# KiCad board Latest-Full-Backplane.kicad_pcb (continued)
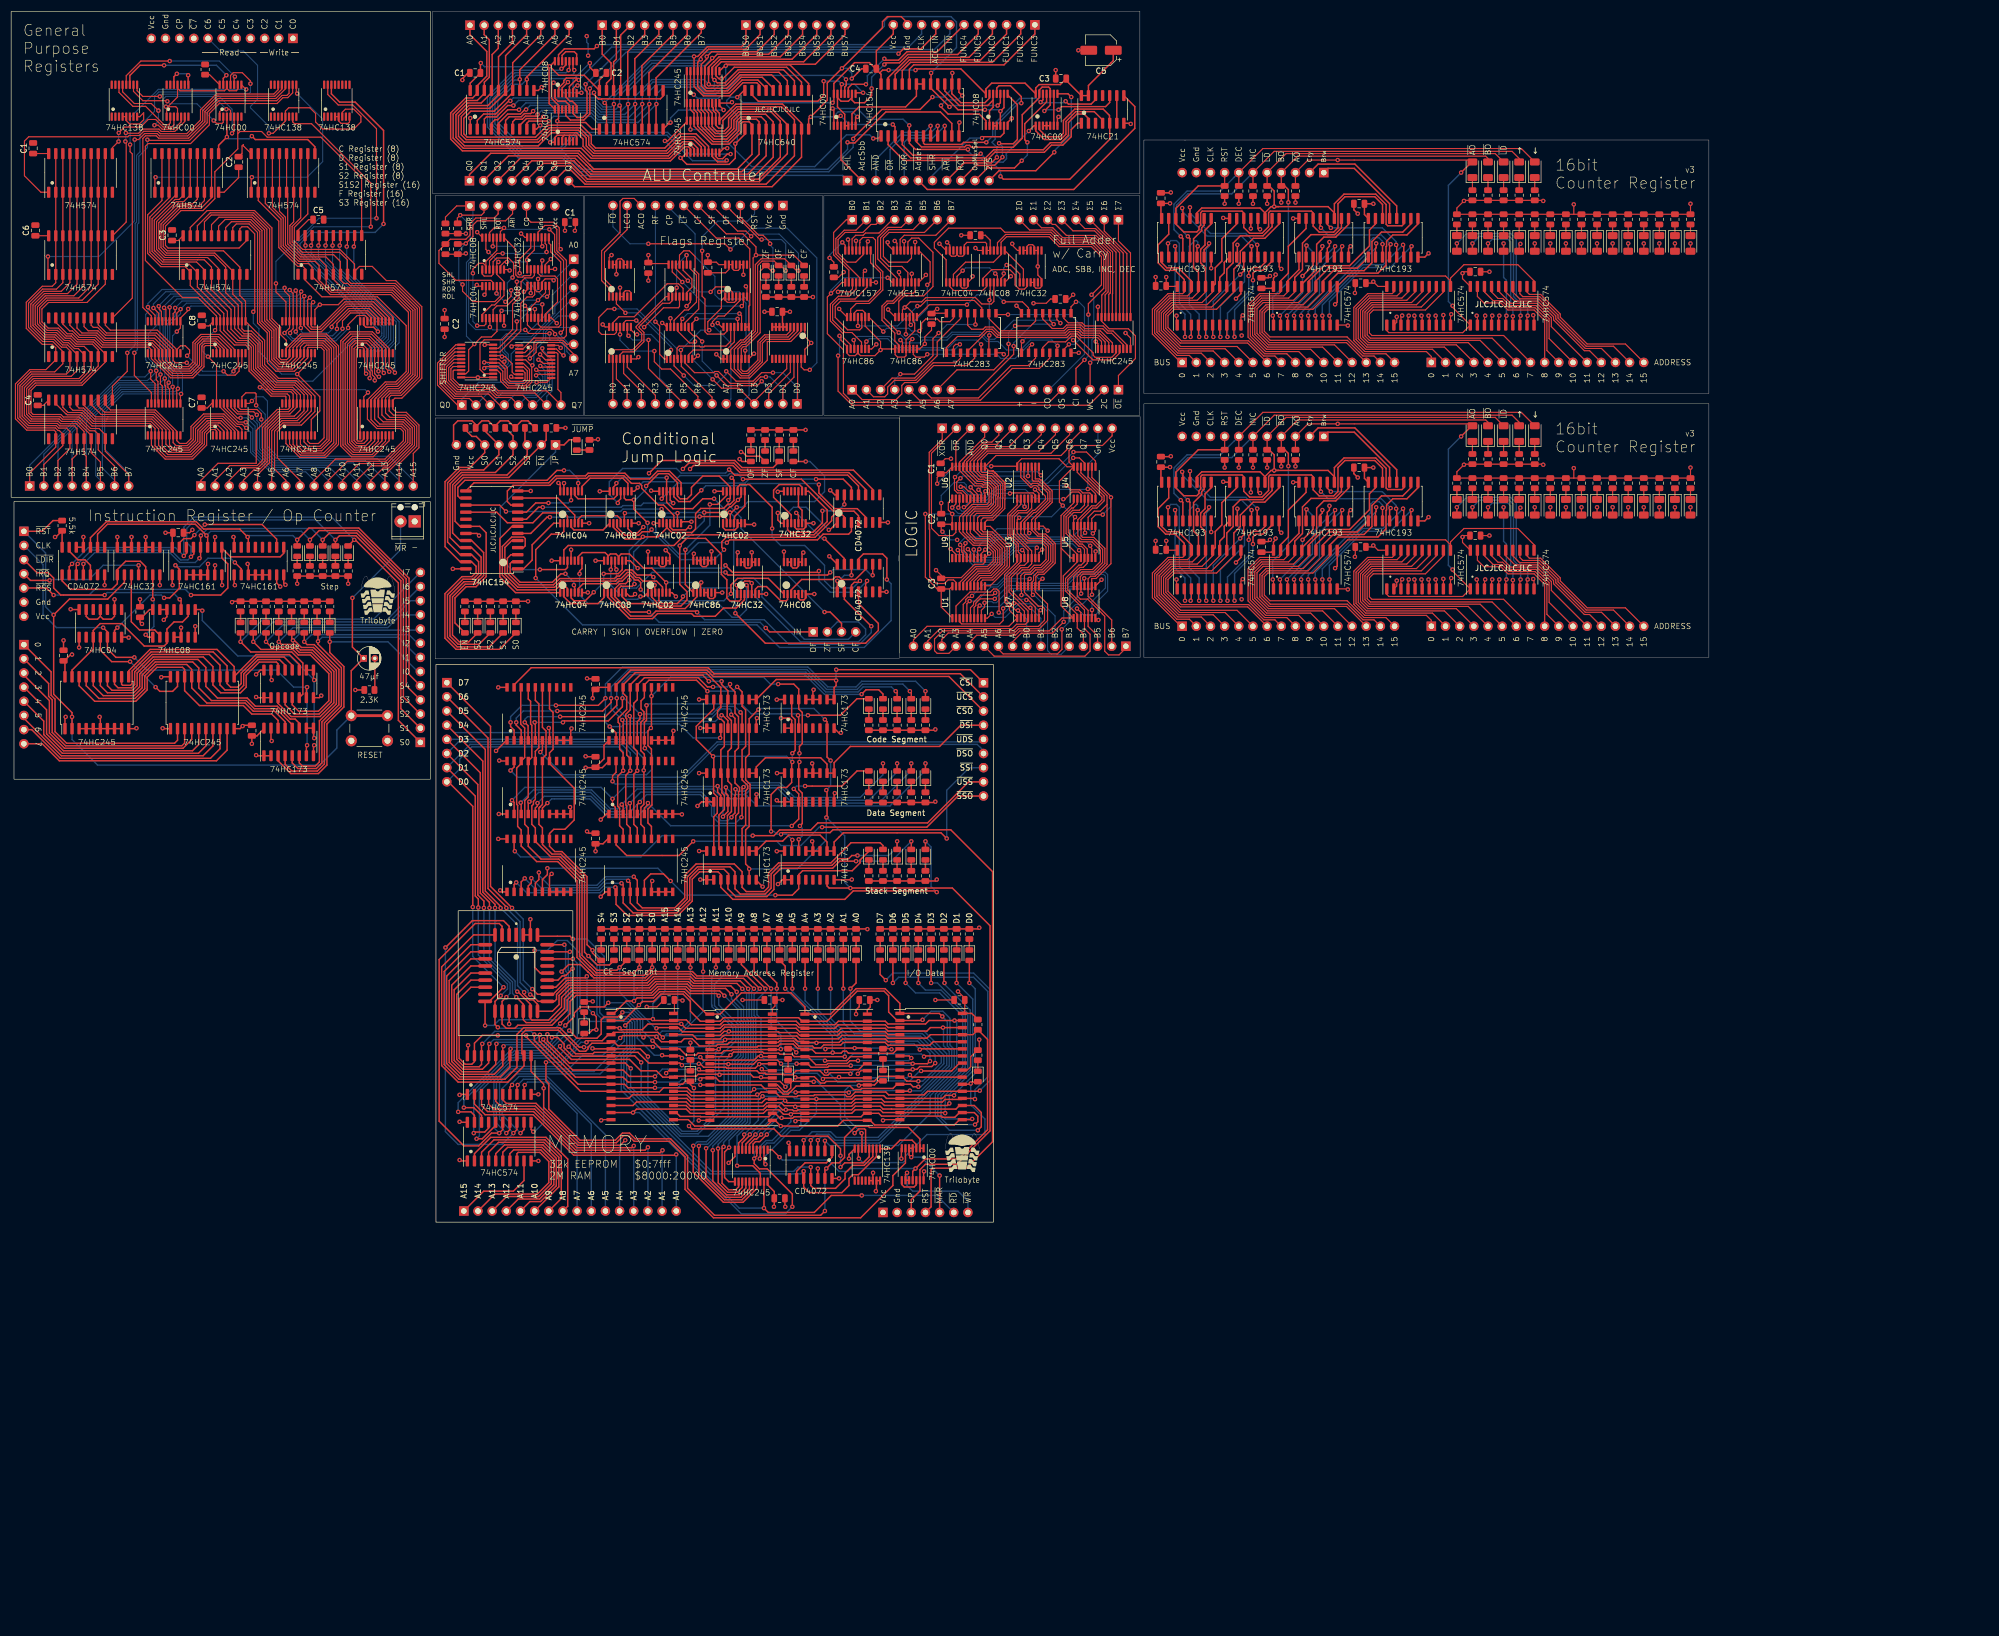
[diagram p0: board, top side]
## Routing (per net, layer and track width the routed paths; a pad name or vN(x,y) marks a point on that pad's centre or on a via; arc(x,y) is an arc through that point) (continued)
OP3: length 27.2
  Top w0.2: v1(162.56,164.26) 163.13,164.26 164.14,165.28 172.77,165.28 174.12,163.94 U5#6.11 ; v1(151.89,160.71) U3#7.11
  Bottom w0.2: v1(162.56,164.26) 159,160.71 v1(151.89,160.71)
OP4: length 34.4
  Top w0.2: U6#7.6 187.58,157.02 v1(187.71,157.15) ; v1(159.51,158.17) 159.88,157.8 U4#10.3
  Bottom w0.2: v1(159.51,158.17) 160.02,157.66 163.03,157.66 163.56,158.19 164.23,158.19 164.25,158.17 167.89,158.17 168.91,159.18 173.74,159.18 175.01,157.91 177.04,157.91 178.56,156.39 181.04,156.39 182.82,158.17 186.69,158.17 v1(187.71,157.15)
OP5: length 25.8
  Top w0.2: U4#10.6 161.83,155.6 162.31,155.12 163.83,155.12 v1(164.34,155.63) ; U6#7.2 182.63,156.01 182.63,156.9 v1(183.13,157.4)
  Bottom w0.2: v1(164.34,155.63) 176.78,155.63 177.55,154.86 180.09,154.86 182.63,157.4 v1(183.13,157.4)
OP6: length 23.6
  Top w0.2: v1(178.05,165.02) 181.41,165.02 182.5,163.94 U6#7.15 ; v1(171.45,164.52) 164.7,164.52 U4#10.8
  Bottom w0.2: v1(171.45,164.52) 173.23,166.29 176.78,166.29 v1(178.05,165.02)
OP7: length 35.6
  Top w0.2: U4#10.11 160.53,159.24 v1(160.5,159.21) ; U6#7.11 187.58,161.85 v1(188.21,161.21)
  Bottom w0.2: v1(188.21,161.21) 187.71,161.72 179.83,161.72 176.42,158.31 175.17,158.31 173.9,159.58 168.74,159.58 167.84,158.67 163.07,158.67 162.53,159.21 v1(160.5,159.21)
OP_MUX_SEL: length 76.6
  Top w0.2: v1(157.23,169.34) 158.06,168.51 U2#4.1 ; J4#4.5 186.18,146.99 150.92,146.99 149.29,148.62 149.29,156.43 146.41,159.31 146.41,165.89 v1(147.07,166.55) 149.03,168.51 U1.1
  Bottom w0.2: v1(157.23,169.34) 149.29,169.34 147.07,167.11 v1(147.07,166.55)
OP_MUX_SELECT: length 24.1
  Top w0.25: v1(182.29,193.63) 181.82,194.1 181.82,196.97 185.74,200.88 U7#2.11 ; v1(181.28,190.32) 179.99,189.03 175.15,189.03 J3.10
  Bottom w0.25: v1(182.29,193.63) 182.29,191.34 v1(181.28,190.32)
OR_JA_JNBE: length 38.9
  Top w0.25: U11#2.3 150.73,114.22 151.24,114.73 152,114.73 v1(152.26,114.99) ; v1(136.51,124.38) 136.51,128.19 132.45,132.26 130.77,132.26 130.3,131.79 U5#4.10
  Bottom w0.25: v1(136.51,124.38) 136.51,122.86 138.03,121.34 142.35,121.34 145.91,117.78 145.91,114.99 147.18,113.72 150.99,113.72 v1(152.26,114.99)
OR_JB_JNAE_JC: length 55.8
  Top w0.25: v1(108.82,128.96) 108.82,129.21 109.33,129.72 U3#10.11 ; 152,130.42 152,132 150.05,133.96 129.78,133.96 v1(128.79,134.95)
  Bottom w0.25: v1(128.79,134.95) 128.17,134.33 120.16,134.33 119.35,135.14 109.68,135.14 107.3,132.77 107.3,130.48 v1(108.82,128.96)
OR_JBE_JNA: length 61.8
  Top w0.25: v1(123.05,109.36) 122.84,109.57 115.66,109.57 114.76,108.67 111.14,108.67 107.67,112.15 U6#3.3 ; v1(154.29,106.86) 149.46,111.68 U11#2.2
  Bottom w0.25: v1(123.05,109.36) 124.4,108.01 135.1,108.01 139.5,103.61 152.19,103.61 154.29,105.71 v1(154.29,106.86)
OR_JE_JZ: length 55.2
  Top w0.25: U3#10.6 110.63,124.35 111.36,123.62 112.38,123.62 v1(113.4,124.64) ; v1(120.5,135.06) 121.57,136.13 129.64,136.13 130.91,134.86 151.08,134.86 154.54,131.39 154.54,130.42
  In1.Cu w0.25: 58.42,-61.79 51.31,-68.9 51.31,-72.21
OR_JG_JNLE: length 54.4
  Top w0.25: v1(146.92,116.51) 146.45,116.04 128.6,116.04 v1(128.13,116.51) ; v1(108.57,117.02) 108.57,117.27 108.32,117.53 U6#3.11 ; v1(154.54,116) U11#2.9
  Bottom w0.25: v1(146.92,116.51) 147.43,117.02 153.27,117.02 154.29,116 v1(154.54,116) ; v1(128.13,116.51) 114.97,116.51 112.16,113.7 109.86,113.7 108.57,114.99 v1(108.57,117.02)
OR_JGE_JNL: length 50.3
  Top w0.25: v1(128.13,117.78) 129.4,116.51 144.64,116.51 v1(144.89,116.76) ; v1(153.53,114.99) 153.53,114.73 153.27,114.48 U11#2.5 ; U6#3.8 111.04,118.61 v1(112.38,117.27)
  Bottom w0.25: v1(153.53,114.99) 151.5,112.95 146.92,112.95 144.89,114.99 v1(144.89,116.76) ; v1(112.38,117.27) 127.87,117.27 128.13,117.53 v1(128.13,117.78)
OR_JL_JNGE: length 67.4
  Top w0.25: v1(129.91,109.19) 135.28,103.81 153.27,103.81 155.56,106.1 155.56,107.37 152,110.92 U11#2.4 ; U9.4 116.19,111.43 116.7,110.92 119.49,110.92 120.51,111.94 v1(120.51,112.19)
  In1.Cu w0.25: 68.83,-58.75 69.34,-59.26 69.34,-62.25 68.29,-63.3 68.29,-67.35
  Bottom w0.25: v1(129.91,109.19) 129.91,113.21 129.4,113.72 122.03,113.72 v1(120.51,112.19)
OR_JLE_JNG: length 16.9
  Top w0.25: U14.3 139.92,113.37 141.8,115.24 147.38,115.24 147.85,115.71 148.54,115.71 149.01,115.24 151.44,115.24 153.27,117.08 U11#2.10
OR_JNB_JAE_JNC: length 38.9
  Top w0.25: v1(144.38,133.23) 149.25,133.23 150.73,131.75 150.73,130.42 ; v1(116.7,129.72) 116.92,129.94 U2#8.13
  Bottom w0.25: v1(116.7,129.72) 119.49,132.51 131.62,132.51 132.34,133.23 v1(144.38,133.23)
OR_JNE_JNZ: length 39.2
  Top w0.25: v1(121.78,135.05) 122.4,135.68 129.46,135.68 130.73,134.41 150.26,134.41 153.27,131.39 153.27,130.42 ; v1(121.78,124.64) 121.52,124.64 121.02,124.13 118.69,124.13 118.22,124.59 U2#8.4
OR_JNO: length 42.7
  Top w0.25: U2#8.1 v1(115.24,125.33) ; U10#2.3 150.73,123.88 150.23,123.37 145.65,123.37 144.64,122.35 128.89,122.35 v1(128.38,121.84)
  Bottom w0.25: v1(115.24,125.33) 115.64,124.93 115.64,123.92 119.72,119.84 121.28,119.84 123.29,121.84 v1(128.38,121.84)
OR_JNS: length 41.4
  Top w0.25: U10#2.5 153.27,126.44 151.77,127.94 147.69,127.94 144.89,130.73 v1(144.89,132.26) ; U2#8.10 118.87,130.08 119.75,129.21 121.78,129.21 v1(123.81,131.24)
  Bottom w0.25: v1(123.81,131.24) 124.62,132.06 131.81,132.06 132.2,132.45 144.7,132.45 v1(144.89,132.26)
OR_JO: length 51.2
  Top w0.25: v1(127.87,120.57) 127.47,120.97 127.47,122.01 128.27,122.8 144.2,122.8 147.18,125.78 147.18,126.42 147.69,126.92 148.98,126.92 149.46,126.44 U10#2.2 ; U3#10.3 108.68,124.59 110.1,123.17 112.57,123.17 113.2,123.8 114.48,123.8 v1(114.88,124.2)
  Bottom w0.25: v1(127.87,120.57) 126.1,118.8 120.13,118.8 114.88,124.04 v1(114.88,124.2)
OR_JS: length 46.4
  Top w0.25: v1(131.28,133.23) 141.76,133.23 147.5,127.49 151.18,127.49 152,126.67 U10#2.4 ; v1(112.38,131.75) 112.38,131.63 111.8,131.06 U3#10.8
  Bottom w0.25: v1(131.28,133.23) 130.28,134.23 128.88,134.23 128.53,133.88 119.97,133.88 118.86,132.77 113.4,132.77 v1(112.38,131.75)
OR_JUMP: length 102.1
  Top w0.25: U1#8.2 99.14,123.85 98.66,123.37 96.89,123.37 94.09,120.57 v1(94.09,115.49) ; U11#2.11 152,118.94 152.87,119.81 156.32,119.81 157.08,119.05 v1(157.08,115.24)
  Bottom w0.25: v1(157.08,115.24) 157.85,114.48 157.85,107.87 153.02,103.05 137.84,103.05 133.77,107.11 102.47,107.11 v1(94.09,115.49)
OVERFLOW: length 19.2
  Top w0.2: U38.11 120.86,161.26 123.34,163.73 123.34,170.02 122.68,170.67 122.68,173.15 121.67,174.17 120.65,174.17 119.89,173.41 U37.11
OVERFLOW_FLAG: length 88.1
  Top w0.25: v1(130.66,136.83) 131.09,136.4 D5.2 ; v1(135.37,106.54) 136.07,105.84 J4#5.1 ; v1(129.24,133.47) 129.65,133.06 U5#4.11 129.65,129.41 128.98,128.74 128.55,128.74 127.79,127.98 123.7,127.98 122.77,127.05 122.77,124.3 122.13,123.66 118.51,123.66 117.57,124.59 U2#8.3 117.57,124.44 116.02,122.89 v1(113.31,122.89) 112.91,122.49 110.14,122.49 108.03,124.59 U3#10.2 ; v1(110.88,115.15) 110.22,114.49 109.22,114.49 108.32,113.59 U6#3.4 108.32,112.15 111.07,109.4 v1(114.41,109.4)
  Bottom w0.25: v1(135.37,106.54) 134.35,107.56 116.25,107.56 v1(114.41,109.4) ; v1(110.88,115.15) 110.88,120.46 v1(113.31,122.89)
Q0: length 158.8
  Top w0.2: U5#9.11 79.77,157.33 76.48,154.04 76.48,150.09 80.05,146.52 J2#9.1 ; JC.4 174.63,140.79 170.11,136.27 U6#6.18 170.11,134.79 172.88,132.02 173.98,132.02 174.21,131.8 175.06,131.8 175.48,131.38 175.48,130.83 175.41,130.77 175.41,129.1 175.01,128.69 172.38,128.69 170.11,126.43 U9#5.18 ; U6#9.11 96.09,150.6 v1(94.26,150.6) ; 170.1,114.12 170.1,114.66 172.98,117.54 175.11,117.54 176.16,118.59 176.16,120.16 174.95,121.37 172.57,121.37 170.1,123.84 170.1,124.77
  Top w0.25: 102.25,191.12 103.84,189.53 103.84,189.52 104.54,188.82 130.25,188.82 132.89,191.47 U6.2 132.89,196.8 132.37,197.32 131.27,197.32 130.99,197.04 130.99,195.54 128.76,193.3 125.72,193.3 122.5,196.52 U11#4.18 122.5,198.86 121.85,199.51 U5#10.2 ; 102.24,191.12 101.71,191.66 86.02,191.66 82.22,187.85 J6.1
  Bottom w0.2: J2#9.1 80.84,147.57 83.86,150.6 v1(94.26,150.6)
Q1: length 159.5
  Top w0.2: 80.73,156.68 79.69,156.68 76.88,153.88 76.88,150.25 79.44,147.69 82.21,147.69 J2#9.2 ; JC.5 177.17,141.13 175.91,139.87 174.41,139.87 171.01,136.47 171.01,136.36 170.91,136.26 170.91,135.45 U6#6.17 170.76,134.8 173.14,132.42 174.15,132.42 174.37,132.2 175.23,132.2 175.88,131.54 175.88,130.67 175.81,130.6 175.81,128.93 175.17,128.29 172.54,128.29 170.76,126.51 U9#5.17 ; U6#9.12 94.34,152.03 v1(94.16,151.84) ; 170.75,124.77 170.75,123.76 172.74,121.77 175.11,121.77 176.56,120.32 176.56,118.43 175.28,117.14 173.16,117.14 170.75,114.73 170.75,114.12
  Top w0.25: J6.2 89.21,191.21 101.52,191.21 103.1,189.62 103.11,189.62 104.36,188.37 131.07,188.37 134.16,191.47 U6.3 134.16,197.31 133.7,197.77 131.09,197.77 130.54,197.23 130.54,195.72 128.57,193.75 125.91,193.75 123.15,196.51 U11#4.17 123.1,197.55 123.1,198.9 122.5,199.5 U5#10.3
  Bottom w0.2: J2#9.2 85.93,149.07 93.73,149.07 94.96,150.31 94.96,151.04 v1(94.16,151.84)
Q2: length 160
  Top w0.2: v1(94.19,152.84) 94.35,152.68 U6#9.13 ; 171.4,124.77 171.4,123.67 172.9,122.17 175.28,122.17 176.96,120.49 176.96,118.26 175.44,116.74 173.41,116.74 171.4,114.73 171.4,114.12 ; JC.6 176.84,139.47 174.58,139.47 171.41,136.3 U6#6.16 171.41,134.79 173.38,132.82 174.32,132.82 174.54,132.6 175.39,132.6 176.28,131.71 176.28,130.5 176.21,130.44 176.21,128.77 175.34,127.89 172.71,127.89 171.41,126.6 U9#5.16 ; J2#9.3 84.35,148.09 79.61,148.09 77.28,150.42 77.28,153.71 79.6,156.03 U5#9.13
  Top w0.25: J6.3 91.3,190.76 101.17,190.76 104,187.92 104.17,187.92 132.14,187.92 135.43,191.21 U6.4 135.43,197.31 134.52,198.22 130.9,198.22 130.1,197.41 130.1,195.91 128.38,194.2 126.1,194.2 123.8,196.49 U11#4.16 123.8,198.83 123.15,199.48 U5#10.4
  Bottom w0.2: J2#9.3 88.07,148.67 93.89,148.67 95.36,150.14 95.36,151.67 v1(94.19,152.84)
Q3: length 160
  Top w0.2: U6#9.14 95.11,153.33 v1(94.92,153.52) ; JC.7 178.98,139.07 174.74,139.07 172.06,136.39 U6#6.15 172.06,134.71 173.55,133.22 174.48,133.22 174.69,133.01 175.54,133.01 176.68,131.87 176.68,130.34 176.61,130.27 176.61,128.6 175.5,127.49 172.87,127.49 172.06,126.68 U9#5.15 ; U5#9.14 79.52,155.38 77.68,153.55 77.68,150.58 79.78,148.49 85.65,148.49 87.62,146.52 J2#9.4 ; 172.05,114.12 172.05,114.81 173.58,116.34 175.61,116.34 177.36,118.1 177.36,120.65 175.44,122.57 173.07,122.57 172.05,123.59 172.05,124.77
  Top w0.25: U5#10.5 123.8,199.47 124.45,198.82 U11#4.15 124.45,196.48 126.23,194.7 128.25,194.7 129.65,196.1 129.65,197.6 130.71,198.67 135.34,198.67 136.7,197.31 136.7,190.96 133.22,187.48 103.8,187.48 101.9,189.38 101.84,189.38 101.05,190.17 101.05,190.22 100.97,190.31 93.39,190.31 J6.4
  Bottom w0.2: v1(94.92,153.52) 95.76,152.68 95.76,149.98 94.06,148.27 90.21,148.27 J2#9.4
Q4: length 162.3
  Top w0.2: U5#9.15 79.43,154.73 78.08,153.38 78.08,150.75 79.94,148.89 85.89,148.89 86.91,147.87 89.65,147.87 J2#9.5 ; v1(94.59,154.63) 94.68,154.63 95.09,154.22 95.21,154.22 95.45,153.98 U6#9.15 ; 172.7,124.77 172.7,124.1 173.83,122.97 175.61,122.97 177.76,120.82 177.76,117.93 175.77,115.94 173.74,115.94 172.7,114.9 172.7,114.12 ; JC.8 184.79,141.22 182.24,138.67 174.91,138.67 172.71,136.47 U6#6.14 172.71,134.77 173.86,133.62 174.65,133.62 174.84,133.43 175.69,133.43 177.08,132.04 177.08,130.17 177.01,130.11 177.01,128.44 175.67,127.09 173.16,127.09 172.71,126.64 U9#5.14
  Top w0.25: U5#10.6 124.45,199.52 125.1,198.87 U11#4.14 125.1,196.46 126.36,195.21 128.12,195.21 129.2,196.28 129.2,197.79 130.52,199.12 136.29,199.12 137.97,197.44 U6.6 137.97,190.96 134.04,187.03 103.36,187.03 100.53,189.86 95.48,189.86 J6.5
  Bottom w0.2: J2#9.5 92.35,147.87 94.22,147.87 96.16,149.81 96.16,153.27 94.8,154.63 v1(94.59,154.63)
Q5: length 162.4
  Top w0.2: 173.35,114.12 173.35,114.95 173.94,115.54 175.94,115.54 178.22,117.83 178.22,120.92 175.78,123.37 174.1,123.37 173.35,124.12 173.35,124.77 ; JC.9 187.33,141.22 184.38,138.27 175.07,138.27 173.36,136.56 U6#6.13 173.36,134.68 174.03,134.02 174.97,134.02 175.12,133.86 175.85,133.86 177.48,132.24 177.48,130.01 177.41,129.94 177.41,128.27 175.83,126.69 173.76,126.69 173.36,126.29 U9#5.13 ; v1(94.88,155.59) 95.85,154.63 U6#9.16 ; U5#9.16 79.35,154.08 78.48,153.22 78.48,150.92 80.11,149.29 86.06,149.29 87.07,148.27 91.79,148.27 J2#9.6
  Top w0.25: J6.6 97.58,189.41 100.34,189.41 103.18,186.58 134.22,186.58 139.24,191.59 U6.7 139.24,196.8 136.47,199.57 130.34,199.57 128.7,197.93 128.7,196.42 127.94,195.66 126.54,195.66 125.75,196.45 U11#4.13 125.75,198.85 125.1,199.5 U5#10.7
  Bottom w0.2: v1(94.88,155.59) 96.56,153.91 96.56,149.34 93.75,146.52 J2#9.6
Q6: length 164.6
  Top w0.2: 174,124.77 174,124.16 174.26,123.9 174.26,123.87 174.36,123.77 176.01,123.77 178.65,121.12 178.65,117.69 176.1,115.14 174.28,115.14 174,114.86 174,114.12 ; U9#5.12 174.01,125.94 174.36,126.29 176,126.29 177.84,128.13 177.84,129.8 177.88,129.84 177.88,132.41 176.02,134.26 175.29,134.26 175.13,134.42 174.21,134.42 174.01,134.61 U6#6.12 174.01,136.64 175.24,137.87 186.52,137.87 189.87,141.22 JC.10 ; U6#9.17 96.19,155.28 95.28,156.18 v1(95.28,156.69) ; U5#9.17 79.29,153.43 78.88,153.02 78.88,151.08 80.27,149.69 86.22,149.69 87.24,148.67 93.93,148.67 J2#9.7
  Top w0.25: U5#10.8 125.75,199.98 125.95,199.78 125.95,199.29 126.4,198.84 U11#4.12 126.4,196.69 126.92,196.17 127.68,196.17 127.68,197.55 130.15,200.01 138.18,200.01 140.51,197.69 U6.8 140.51,191.21 135.42,186.13 102.95,186.13 100.5,188.57 99.28,188.57 J6.7
  Bottom w0.2: J2#9.7 96.08,148.09 97.06,149.07 97.06,154.66 95.28,156.44 v1(95.28,156.69)
Q7: length 158
  Top w0.2: 177.13,133.71 177.13,133.73 177.02,133.83 ; 176.78,134.12 176.78,134.13 176.65,134.22 ; 178.28,131.77 178.29,131.62 178.28,131.6 ; 174.65,124.77 175.63,124.77 179.09,121.31 179.09,117.56 175.64,114.12 174.65,114.12 ; JC.11 189.39,139.32 189.39,138.53 188.32,137.47 176.68,137.47 U6#6.11 175.43,134.69 175.77,134.69 175.98,134.72 176.03,134.69 176.11,134.69 176.13,134.66 176.18,134.66 176.3,134.55 176.4,134.48 176.41,134.46 176.42,134.45 176.42,134.43 176.43,134.43 176.43,134.41 176.53,134.32 176.53,134.32 176.79,134.11 176.79,134.05 176.89,133.97 176.9,133.95 177.15,133.7 177.85,132.99 177.92,132.98 178.08,132.77 178.14,132.71 178.25,132.63 178.25,132.62 178.25,132.62 178.26,132.59 178.28,132.57 178.28,132.51 178.31,132.45 178.29,132.31 178.29,132.3 178.29,132.29 178.29,132.29 178.29,132.29 178.28,132.18 178.28,130.34 178.28,129.67 178.24,129.64 178.24,127.97 176.16,125.89 175.06,125.89 174.66,125.49 U9#5.11 ; U6#9.18 97.82,155.93 98.07,155.68 98.07,149.33 98.62,148.78 J2#9.8 96.07,149.07 87.4,149.07 86.39,150.09 80.44,150.09 79.28,151.25 79.28,152.63 79.43,152.78 U5#9.18
  Top w0.25: U5#10.9 126.4,199.48 127.05,198.83 U11#4.11 ; J6.8 101.07,185.68 136.5,185.68 141.78,190.96 U6.9 141.78,197.06 138.35,200.48 129.98,200.48 127.07,197.57 127.05,197.57
REG0: length 274.3
  Top w0.2: 248.03,160.86 248.55,161.38 v1(248.55,162.34) ; v1(210.57,111.43) 210.57,113.43 U1#4.2 ; 248.03,113.56 248.55,114.07 v1(248.55,115.04) ; v1(210.57,158.73) 210.57,160.73 U1#11.2 ; D16#2.2 v1(301.24,175.5) ; D16.2 v1(301.24,128.19)
  Top w0.25: v1(208.79,127.69) 208.91,127.56 U2#6.3 ; v1(208.79,174.99) 208.91,174.86 U2#5.3
  In1.Cu w0.2: 354.58,71.55 350.01,66.98 332.23,66.98 331.47,66.22 331.47,56.57 328.17,53.26 307.02,53.26 301.89,58.39 301.89,54.05 299.21,51.37 267.32,51.37 263.91,54.79 ; 354.58,24.25 350.01,19.68 332.23,19.68 331.47,18.91 331.47,9.26 328.17,5.96 307.02,5.96 301.89,11.09 301.89,6.75 299.21,4.07 267.32,4.07 263.91,7.48
  Bottom w0.25: v1(210.57,158.73) 210.57,162.8 208.79,164.58 v1(208.79,174.99) ; v1(210.57,111.43) 210.57,115.49 208.79,117.27 v1(208.79,127.69)
REG1: length 274.5
  Top w0.2: U6#4.3 249.3,115.04 v1(249.52,115.26) ; D15#2.2 v1(298.45,175.5) ; D15.2 v1(298.45,128.19) ; 211.71,113.56 211.71,111.81 211.58,111.68 v1(211.58,111.43) ; 211.71,160.86 211.71,159.12 211.58,158.99 v1(211.58,158.73) ; v1(249.52,162.56) 249.3,162.34 U6#5.3
  Top w0.25: v1(207.52,128.19) 207.52,125.87 U2#6.2 ; U2#5.2 207.52,173.18 v1(207.52,175.5)
  In1.Cu w0.2: 264.92,54.79 267.94,51.77 299.04,51.77 301.19,53.92 301.19,58.92 301.36,59.09 302.39,59.09 307.71,53.77 328.11,53.77 331.07,56.73 331.07,66.38 332.07,67.38 347.62,67.38 351.79,71.55 ; 264.92,7.48 267.94,4.47 299.04,4.47 301.19,6.61 301.19,11.62 301.36,11.79 302.39,11.79 307.71,6.47 328.11,6.47 331.07,9.43 331.07,19.08 332.07,20.08 347.62,20.08 351.79,24.25
  Bottom w0.25: v1(207.52,175.5) 208.03,176.01 209.04,176.01 209.55,175.5 209.55,164.83 211.58,162.8 v1(211.58,158.73) ; v1(207.52,128.19) 208.03,128.7 209.04,128.7 209.55,128.19 209.55,117.53 211.58,115.49 v1(211.58,111.43)
REG2: length 263.5
  Top w0.2: v1(213.11,111.43) 212.98,111.56 U1#4.4 ; U6#5.4 250.57,162.42 v1(250.7,162.54) ; U1#11.4 212.98,158.86 v1(213.11,158.73) ; D14.2 v1(295.66,175.5) ; U6#4.4 250.57,115.11 v1(250.7,115.24) ; D14#2.2 v1(295.66,128.19)
  Top w0.25: U2#6.6 212.72,127.56 v1(212.85,127.69) ; U2#5.6 212.72,174.86 v1(212.85,174.99)
  In1.Cu w0.2: 266.45,54.79 269.06,52.17 298.88,52.17 300.79,54.08 300.79,59.09 301.19,59.49 303.14,59.49 308.46,54.17 327.94,54.17 330.67,56.9 330.67,66.55 331.9,67.78 345.22,67.78 349,71.55 ; 349,24.25 345.22,20.48 331.9,20.48 330.67,19.24 330.67,9.59 327.94,6.87 308.46,6.87 303.14,12.19 301.19,12.19 300.79,11.78 300.79,6.78 298.88,4.87 269.06,4.87 266.45,7.48
  Bottom w0.25: v1(213.11,158.73) 213.11,162.8 211.33,164.58 211.33,174.99 212.34,176.01 212.6,176.01 212.85,175.75 v1(212.85,174.99) ; v1(213.11,111.43) 213.11,115.49 211.33,117.27 211.33,127.69 212.34,128.7 212.6,128.7 212.85,128.45 v1(212.85,127.69)
REG3: length 250.7
  Top w0.2: v1(251.71,162.54) 251.84,162.42 U6#5.5 ; v1(251.71,115.24) 251.84,115.11 U6#4.5 ; v1(214.38,158.73) 214.38,158.99 214.25,159.12 U1#11.5 ; U1#4.5 214.25,111.81 214.38,111.68 v1(214.38,111.43) ; D13#4.2 v1(292.86,175.5) ; D13#3.2 v1(292.86,128.19)
  Top w0.25: 213.99,173.05 213.99,174.36 214.88,175.24 v1(214.88,175.5) ; v1(214.88,128.19) 214.88,127.94 213.99,127.05 213.99,125.75
  In1.Cu w0.2: 346.2,71.55 342.83,68.18 331.73,68.18 330.27,66.72 330.27,57.06 327.78,54.57 309.08,54.57 303.76,59.89 301.03,59.89 300.39,59.25 300.39,54.25 298.71,52.57 269.93,52.57 267.72,54.79 ; 267.72,7.48 269.93,5.27 298.71,5.27 300.39,6.94 300.39,11.95 301.03,12.59 303.76,12.59 309.08,7.27 327.78,7.27 330.27,9.76 330.27,19.41 331.73,20.88 342.83,20.88 346.2,24.25
  Bottom w0.25: v1(214.88,175.5) 214.88,174.99 214.38,174.48 v1(214.38,158.73) ; v1(214.38,111.43) 214.38,127.18 214.88,127.69 v1(214.88,128.19)
REG4: length 237.1
  Top w0.2: D12#3.2 v1(290.07,175.5) ; v1(252.98,115.24) 253.11,115.11 U6#4.6 ; v1(215.65,111.43) 215.52,111.56 U1#4.6 215.52,114.35 ; U6#5.6 253.11,162.42 v1(252.98,162.54) ; 215.52,161.66 U1#11.6 215.52,158.86 v1(215.65,158.73) ; D12.2 v1(290.07,128.19)
  Top w0.25: v1(220.47,169.91) 221.11,170.55 U3#8.3 ; v1(220.47,122.61) 221.11,123.24 U3#4.3
  In1.Cu w0.2: 343.41,24.25 340.44,21.28 331.57,21.28 329.87,19.58 329.87,9.92 327.61,7.67 309.95,7.67 304.63,12.99 300.86,12.99 299.99,12.12 299.99,7.11 298.55,5.67 270.8,5.67 268.99,7.48 ; 343.41,71.55 340.44,68.58 331.57,68.58 329.87,66.88 329.87,57.23 327.61,54.97 309.95,54.97 304.63,60.29 300.86,60.29 299.99,59.42 299.99,54.41 298.55,52.97 270.8,52.97 268.99,54.79
  Bottom w0.25: v1(215.65,111.43) 215.65,117.78 v1(220.47,122.61) ; v1(215.65,158.73) 215.65,165.08 v1(220.47,169.91)
REG5: length 235.7
  Top w0.2: v1(254.25,115.24) 254.38,115.11 U6#4.7 ; U1#11.7 216.79,158.86 v1(216.92,158.73) ; D11#3.2 v1(287.27,128.19) ; D11.2 v1(287.27,175.5) ; v1(254.25,162.54) 254.38,162.42 U6#5.7 ; v1(216.92,111.43) 216.79,111.56 U1#4.7
  Top w0.25: v1(219.96,175.24) 219.96,173.18 U3#8.2 ; U3#4.2 219.96,125.87 v1(219.96,127.94)
  In1.Cu w0.2: 270.26,7.48 271.67,6.07 298.38,6.07 299.59,7.27 299.59,12.28 300.7,13.39 305.5,13.39 310.82,8.07 327.45,8.07 329.47,10.09 329.47,19.74 331.4,21.68 338.04,21.68 340.61,24.25 ; 270.26,54.79 271.67,53.37 298.38,53.37 299.59,54.58 299.59,59.59 300.7,60.69 305.5,60.69 310.82,55.37 327.45,55.37 329.47,57.39 329.47,67.05 331.4,68.98 338.04,68.98 340.61,71.55
  Bottom w0.25: v1(216.92,158.73) 216.92,164.32 221.23,168.64 221.23,170.93 219.96,172.2 v1(219.96,175.24) ; v1(219.96,127.94) 219.96,124.89 221.23,123.62 221.23,121.34 216.92,117.02 v1(216.92,111.43)
REG6: length 220.5
  Top w0.2: v1(255.52,115.24) 255.65,115.11 U6#4.8 ; D10#4.2 v1(284.48,128.19) ; U1#4.8 218.06,111.56 v1(218.19,111.43) ; U6#5.8 255.65,162.42 v1(255.52,162.54) ; v1(218.19,158.73) 218.06,158.86 U1#11.8 ; D10#5.2 v1(284.48,175.5)
  Top w0.25: U3#4.6 224.92,124.77 224.03,123.88 222.76,123.88 222,123.11 v1(222,122.35) ; U3#8.6 224.92,172.07 224.03,171.18 222.76,171.18 222,170.42 v1(222,169.66)
  In1.Cu w0.2: 271.53,7.48 272.54,6.47 298.22,6.47 299.19,7.44 299.19,12.45 300.53,13.79 306.37,13.79 311.69,8.47 327.28,8.47 329.07,10.26 329.07,19.91 331.24,22.08 335.65,22.08 337.82,24.25 ; 271.53,54.79 272.54,53.77 298.22,53.77 299.19,54.74 299.19,59.75 300.53,61.09 306.37,61.09 311.69,55.77 327.28,55.77 329.07,57.56 329.07,67.21 331.24,69.38 335.65,69.38 337.82,71.55
  Bottom w0.25: v1(222,122.35) 222,119.5 218.19,115.69 v1(218.19,111.43) ; v1(222,169.66) 222,166.81 218.19,163 v1(218.19,158.73)
REG7: length 211.7
  Top w0.2: v1(219.46,111.43) 219.33,111.56 U1#4.9 ; v1(219.46,158.73) 219.33,158.86 U1#11.9 ; v1(256.91,115.35) 256.92,115.34 256.92,113.56 ; D9#3.2 v1(281.69,175.5) ; v1(256.91,162.66) 256.92,162.65 256.92,160.86 ; D9#4.2 v1(281.69,128.19)
  Top w0.25: v1(222.76,121.59) 222.76,122.86 223.27,123.37 224.54,123.37 226.19,125.02 226.19,125.75 ; v1(222.76,168.89) 222.76,170.16 223.27,170.67 224.54,170.67 226.19,172.32 226.19,173.05
  In1.Cu w0.2: 335.03,24.25 333.25,22.48 331.07,22.48 328.67,20.07 328.67,10.42 327.12,8.87 312.79,8.87 307.47,14.19 300.36,14.19 298.79,12.61 298.79,7.61 298.12,6.94 273.34,6.94 272.8,7.48 ; 272.8,54.79 273.34,54.24 298.12,54.24 298.79,54.91 298.79,59.92 300.36,61.49 307.47,61.49 312.79,56.17 327.12,56.17 328.67,57.73 328.67,67.38 331.07,69.78 333.25,69.78 335.03,71.55
  Bottom w0.25: v1(219.46,111.43) 219.46,116.32 222.76,119.63 v1(222.76,121.59) ; v1(219.46,158.73) 219.46,163.63 222.76,166.93 v1(222.76,168.89)
REG8: length 182.2
  Top w0.2: v1(227.58,115.24) 227.71,115.11 U4#8.2 ; v1(262.89,162.54) 263.02,162.42 U8#8.2 ; v1(227.58,162.54) 227.71,162.42 U4#9.2 ; D8#3.2 v1(278.89,128.19) 278.89,128.45 ; 278.89,175.75 v1(278.89,175.5) D8#4.2 ; U8#5.2 263.02,115.11 v1(262.89,115.24)
  Top w0.25: v1(231.65,169.66) 233.55,171.56 U5#5.3 ; v1(231.65,122.35) 233.55,124.26 U5.3
  In1.Cu w0.2: 332.23,71.55 328.27,67.59 328.27,57.89 326.95,56.57 318.26,56.57 312.93,61.89 300.2,61.89 298.39,60.08 298.39,55.08 297.95,54.64 284.88,54.64 280.92,58.6 ; 332.23,24.25 328.27,20.29 328.27,10.59 326.95,9.27 318.26,9.27 312.93,14.59 300.2,14.59 298.39,12.78 298.39,7.77 297.95,7.34 284.88,7.34 280.92,11.29
  Bottom w0.25: v1(231.65,122.35) 231.65,119.3 v1(227.58,115.24) ; v1(231.65,169.66) 231.65,166.61 v1(227.58,162.54)
REG9: length 179.4
  Top w0.2: 228.98,113.56 228.98,115.11 v1(228.85,115.24) ; v1(228.85,162.54) 228.98,162.42 228.98,160.86 ; v1(264.41,162.54) 264.29,162.42 U8#8.3 ; U8#5.3 264.29,115.11 v1(264.41,115.24) ; D7#2.2 v1(276.1,128.19) ; D7.2 v1(276.1,175.5)
  Top w0.25: U5#5.2 232.28,175.04 v1(232.36,175.12) ; v1(232.36,127.81) 232.28,127.73 U5.2
  In1.Cu w0.2: 282.19,58.6 285.75,55.04 294.25,55.04 297.91,58.7 297.91,60.17 300.03,62.29 314.06,62.29 319.38,56.97 326.78,56.97 327.87,58.06 327.87,69.98 329.44,71.55 ; 282.19,11.29 285.75,7.74 294.25,7.74 297.91,11.4 297.91,12.87 300.03,14.99 314.06,14.99 319.38,9.67 326.78,9.67 327.87,10.75 327.87,22.68 329.44,24.25
  Bottom w0.25: v1(232.36,127.81) 233.43,126.75 233.43,119.81 v1(228.85,115.24) ; v1(228.85,162.54) 233.43,167.12 233.43,174.05 v1(232.36,175.12)
REG10: length 175.5
  Top w0.2: v1(230.12,162.54) 230.25,162.42 U4#9.4 ; v1(230.12,115.24) 230.25,115.11 U4#8.4 ; v1(265.68,162.54) 265.56,162.42 U8#8.4 ; v1(265.68,115.24) 265.56,115.11 U8#5.4 ; D6#5.2 v1(273.3,175.5) ; D6#2.2 v1(273.3,128.19)
  Top w0.25: U5.6 237.36,127.56 v1(237.49,127.69) ; U5#5.6 237.36,174.86 v1(237.49,174.99)
  In1.Cu w0.2: 283.46,58.6 286.62,55.44 294.08,55.44 297.35,58.72 297.35,60.18 299.87,62.69 314.93,62.69 320.25,57.37 326.62,57.37 327.47,58.22 327.47,70.73 326.64,71.55 ; 326.64,24.25 327.47,23.42 327.47,10.92 326.62,10.07 320.25,10.07 314.93,15.39 299.87,15.39 297.35,12.88 297.35,11.41 294.08,8.14 286.62,8.14 283.46,11.29
  Bottom w0.25: v1(237.49,174.99) 233.93,171.43 233.93,166.86 230.12,163.05 v1(230.12,162.54) ; v1(237.49,127.69) 233.93,124.13 233.93,119.56 230.12,115.75 v1(230.12,115.24)
REG11: length 173
  Top w0.2: 266.83,113.56 266.83,115.11 v1(266.95,115.24) ; v1(231.39,162.54) 231.52,162.42 U4#9.5 ; U4#8.5 231.52,115.11 v1(231.39,115.24) ; v1(266.95,162.54) 266.83,162.42 266.83,160.86 ; v1(270.73,128.12) 270.51,127.9 D5#5.2 ; v1(270.73,175.43) 270.51,175.21 D5#2.2